# Altium PCB NeuroPico Hub.PcbDoc (part 2 of 5)
Units mm, origin at the board's own origin, x right, y up, seen from the top; angles counter-clockwise.
Board outline 60 x 84 mm, 6 copper layers (Top Layer, Layer 2, Layer 3, Layer 4, Layer 5, Bottom Layer), stack 1.611 mm thick; 397 components, 237 nets, 1370 pads, 631 vias.
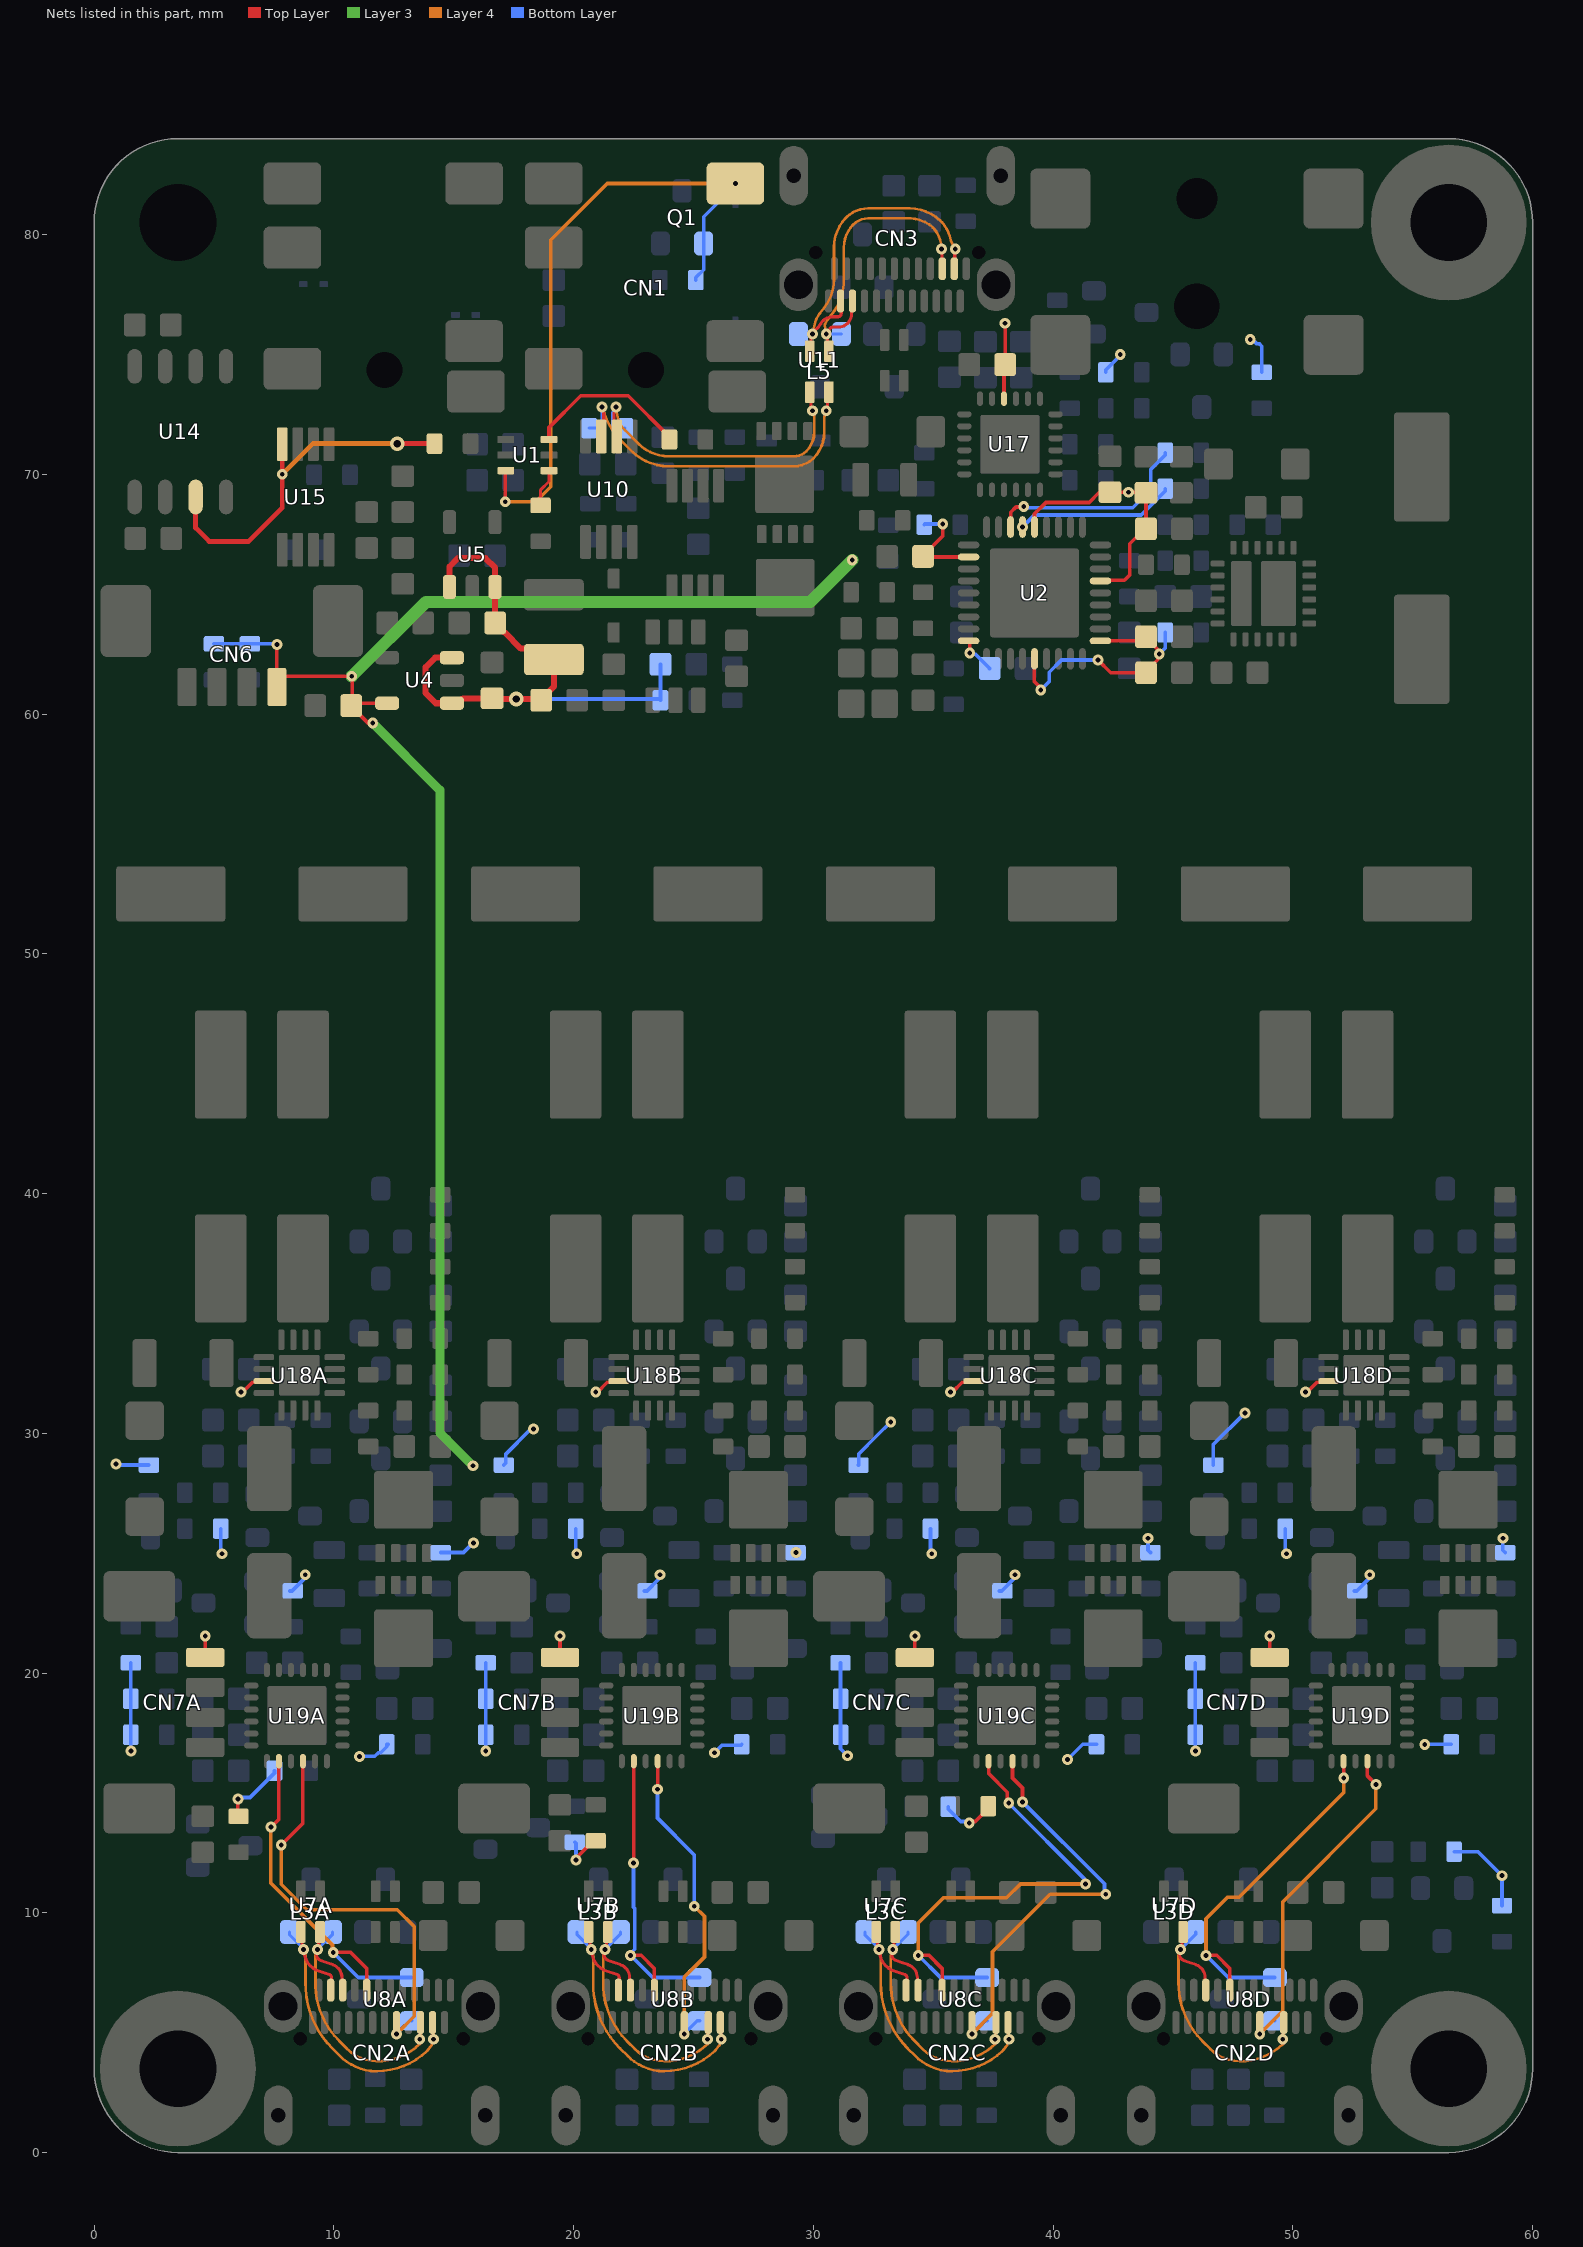
[diagram p6: the nets of this part, all layers, seen from the top]

## Footprints (in the part's own frame and the unit in brackets; to place one, negate y for a bottom-side part, rotate by r counter-clockwise, add the part's x,y. Pads: shape width x height; smd on the part's side, far side on the other; paste and mask are expansions set on the pad) (continued)
VQFN24 [mm] "QFN, 24-Leads, Body 4.00x4.00mm, Pitch 0.50mm, Thermal Pad 2.70x2.70mm, IPC Medium Density"
  rrect42% 0.24x0.575 smd: 1(-1.25,-1.913) 2(-0.75,-1.913) 3(-0.25,-1.913) 4(0.25,-1.913) 5(0.75,-1.913) 6(1.25,-1.913) 13(1.25,1.913) 14(0.75,1.913) 15(0.25,1.913) 16(-0.25,1.913) 17(-0.75,1.913) 18(-1.25,1.913)
  rrect42% 0.575x0.24 smd: 7(1.913,-1.25) 8(1.913,-0.75) 9(1.913,-0.25) 10(1.913,0.25) 11(1.913,0.75) 12(1.913,1.25) 19(-1.913,1.25) 20(-1.913,0.75) 21(-1.913,0.25) 22(-1.913,-0.25) 23(-1.913,-0.75) 24(-1.913,-1.25)
  rrect7% 1.45x2.7 smd: 25(-0.625,0)
  rrect7% 1.45x2.7 smd far side paste-2539.97 mask+0.102: 25(-0.625,0)
  rrect12% 0.85x2.7 smd: 26(0.925,0)
  rrect12% 0.85x2.7 smd far side paste-2539.97 mask+0.102: 26(0.925,0)
  silkscreen extent -2.8,-2.8 2.05,2.05, body extent -2.3,-2.3 2.3,2.3, height 0.25
VSSOP8_3X3_0.65E [mm] "TSOP, 8-Leads, Body 3.00x3.00mm, Pitch 0.65mm, IPC Medium Density"
  rrect25% 0.45x1.4 smd: 1(-0.975,-2.2) 2(-0.325,-2.2) 3(0.325,-2.2) 4(0.975,-2.2) 5(0.975,2.2) 6(0.325,2.2) 7(-0.325,2.2) 8(-0.975,2.2)
  silkscreen extent -1.87,-2.32 1.55,1.15, body extent -1.55,-2.45 1.55,2.45, height 1.1
WQFN16_3X3_0.5E [mm] "QFN, 16-Leads, Body 3.00x3.00mm, Pitch 0.50mm, Thermal Pad 1.70x1.70mm, IPC Medium Density"
  rrect10% 1.7x1.7 smd: 0(0,0)
  rrect10% 1.7x1.7 smd far side paste-2539.97 mask+0.102: 0(0,0)
  rrect50% 0.25x0.85 smd: 1(-0.75,-1.475) 2(-0.25,-1.475) 3(0.25,-1.475) 4(0.75,-1.475) 9(0.75,1.475) 10(0.25,1.475) 11(-0.25,1.475) 12(-0.75,1.475)
  rrect50% 0.85x0.25 smd: 5(1.475,-0.75) 6(1.475,-0.25) 7(1.475,0.25) 8(1.475,0.75) 13(-1.475,0.75) 14(-1.475,0.25) 15(-1.475,-0.25) 16(-1.475,-0.75)
  silkscreen extent -1.73,-2.5 1.73,1.73, body extent -1.66,-1.66 1.66,1.66, height 0.8

## Part data
C1 C18 C22 C33 C40 C43 C44 C45 C47 C48 C64A C64B C64C C64D C65A C65B C65C C65D C66A C66B C66C C66D: library part CMP-611-0033-11, "0603 Multilayer Ceramic Capacitors MLCC", Capacitor Type=Ceramic, Case/Package=0603, Dielectric=X5R, LCSC Part N.=C15849, PartNumber=CL10A105KB8NNNC, Tolerance=10%, Voltage Rating=50V, Mount=SMD, Pick&PlaceFootprint=C0603, RoHS=Yes
C2 C3 C7 C8 C9 C10 C11 C12 C13 C14 C26A C26B C26C C26D C29 C30 C36 C37 C38 C39 C41 C42 C46 C51A C51B C51C C51D C54A C54B C54C C54D C55A C55B C55C C55D C56A C56B C56C C56D C57A C57B C57C C57D C58A C58B C58C C58D C59A C59B C59C C59D C60A C60B C60C C60D C61A C61B C61C C61D C62A C62B C62C C62D: library part CMP-611-0027-24, "0603 Multilayer Ceramic Capacitors MLCC", Capacitor Type=Ceramic, Case/Package=0603, Dielectric=X7R, LCSC Part N.=C14663, PartNumber=CC0603KRX7R9BB104, Tolerance=10%, Voltage Rating=50V, Mount=SMD, Pick&PlaceFootprint=C0603, RoHS=Yes
C4 C5: library part CMP-611-0064-3, "0603 Multilayer Ceramic Capacitors MLCC", Capacitor Type=Ceramic, Case/Package=0603, Dielectric=C0G, LCSC Part N.=C1648, PartNumber=CL10C200JB8NNNC, Tolerance=5%, Voltage Rating=50V, Mount=SMD, Pick&PlaceFootprint=C0603, RoHS=Yes
C6: library part CMP-611-0056-4, "0603 Multilayer Ceramic Capacitors MLCC", Capacitor Type=Ceramic, Case/Package=0603, Dielectric=X5R, LCSC Part N.=C19666, PartNumber=CL10A475KO8NNNC, Tolerance=10%, Voltage Rating=16V, Mount=SMD, Pick&PlaceFootprint=C0603, RoHS=Yes
C15 C27A C27B C27C C27D C31: library part CMP-611-0022-7, "0603 Multilayer Ceramic Capacitors MLCC", Capacitor Type=Ceramic, Case/Package=0603, Dielectric=X7R, LCSC Part N.=C57112, PartNumber=0603B103K500NT, Tolerance=10%, Voltage Rating=50V, Mount=SMD, Pick&PlaceFootprint=C0603, RoHS=Yes
C16: library part CMP-611-0038-6, "0603 Multilayer Ceramic Capacitors MLCC", Capacitor Type=Ceramic, Case/Package=0603, Dielectric=C0G, LCSC Part N.=C14858, PartNumber=CL10C101JB8NNNC, Tolerance=5%, Voltage Rating=50V, Mount=SMD, Pick&PlaceFootprint=C0603, RoHS=Yes
C17 C21: library part CMP-611-0048-3, "Ceramic Capacitor, Multilayer, Ceramic, 35V, 20% +Tol, 20% -Tol, X5R, 15% TC, 10uF, Surface Mount, 0603", Capacitor Type=Ceramic, Case/Package=0603, Dielectric=X5R, LCSC Part N.=C194427, PartNumber=GRM188R6YA106MA73D, Tolerance=20%, Voltage Rating=35V, Mount=SMD, Pick&PlaceFootprint=C0603, RoHS=Yes
C19 C23: library part CMP-611-0060-3, "0603 Multilayer Ceramic Capacitors MLCC", Capacitor Type=Ceramic, Case/Package=0603, Dielectric=X5R, LCSC Part N.=C162273, PartNumber=GRM188R61H225KE11D, Tolerance=10%, Voltage Rating=50V, Mount=SMD, Pick&PlaceFootprint=C0603, RoHS=Yes
C20 C24: library part CMP-611-0030-11, "0603 Multilayer Ceramic Capacitors MLCC", Capacitor Type=Ceramic, Case/Package=0603, Dielectric=X7R, LCSC Part N.=C525730, PartNumber=CL10B103KC84PEL, Tolerance=10%, Voltage Rating=100V, Mount=SMD, Pick&PlaceFootprint=C0603, RoHS=Yes
C25A C25B C25C C25D C52A C52B C52C C52D: library part CMP-611-0050-6, "0603 Multilayer Ceramic Capacitors MLCC", Capacitor Type=Ceramic, Case/Package=0603, Dielectric=X5R, LCSC Part N.=C96446, PartNumber=CL10A106MA8NRNC, Tolerance=20%, Voltage Rating=25V, Mount=SMD, Pick&PlaceFootprint=C0603, RoHS=Yes
C28: library part CMP-611-0042-4, "0805 Multilayer Ceramic Capacitors MLCC", Capacitor Type=Ceramic, Case/Package=0805, Dielectric=X5R, LCSC Part N.=C440198, PartNumber=GRM21BR61H106KE43L, Tolerance=10%, Voltage Rating=50V, Mount=SMD, Pick&PlaceFootprint=C0805, RoHS=Yes
C32: library part CMP-612-0005-5, "Cap Aluminum Polymer 220uF 35V 20% Cylindrical 27m Ohm 2000mA 4000 hr 125°C Emboss T/R", Capacitor Type=Solid, ESR (Equivalent Series Resistance)=17mR, LCSC Part N.=C454287, PartNumber=EEHZK1V221UP, Ripple Current=2A, Tolerance=20%, Voltage Rating=35V, Height=10.5mm, Mount="Surface Mount", Pick&PlaceFootprint=EC8
C34 C35: library part CMP-611-0074-1, "0603 Multilayer Ceramic Capacitors MLCC", Capacitor Type=Ceramic, Case/Package=0603, Dielectric=X7R, LCSC Part N.=C1604, PartNumber=0603B222K500NT, Tolerance=10%, Voltage Rating=50V, Mount=SMD, Pick&PlaceFootprint=C0603, RoHS=Yes
C49A C49B C49C C49D: library part CMP-611-0036-5, "1210 Multilayer Ceramic Capacitors MLCC", Capacitor Type=Ceramic, Case/Package=1210, Dielectric=X7R, LCSC Part N.=C1950, PartNumber=1210B225K500NT, Tolerance=10%, Voltage Rating=50V, Mount="Surface Mount", Pick&PlaceFootprint=C1210, RoHS=Yes
C50A C50B C50C C50D: library part CMP-610-0010-1, "25V 680uF ±20% SMD,D8xL10.5mm Solid Capacitors", Capacitor Type=Solid, ESR (Equivalent Series Resistance)=25mR, LCSC Part N.=C5246549, PartNumber=HV1E687M0810PZ, Tolerance=20%, Voltage Rating=25V, Mount="Surface Mount", Pick&PlaceFootprint=EC8, RoHS=Yes
C53A C53B C53C C53D: library part CMP-611-0073-1, "0603 Multilayer Ceramic Capacitors MLCC", Capacitor Type=Ceramic, Case/Package=0603, Dielectric=X7R, LCSC Part N.=C1622, PartNumber=CL10B473KB8NNNC, Tolerance=10%, Voltage Rating=50V, Mount=SMD, Pick&PlaceFootprint=C0603, RoHS=Yes
C63A C63B C63C C63D: library part CMP-610-0003-4, "25V 220uF ±20% SMD,D6.3xL7.7mm Solid Capacitors", Capacitor Type=Solid, ESR (Equivalent Series Resistance)=35mR, LCSC Part N.=C5246541, PartNumber=HV1E477M0810PZ, Tolerance=20%, Voltage Rating=25V, Mount="Surface Mount", Pick&PlaceFootprint=EC63, RoHS=Yes
CN1 CN5: library part CMP-380-0019-5, "3.5mm headphone jack 235℃ 30V 500mA SMD Audio Connector", LCSC Part N.=C128987, PartNumber=PJ-316A-6A, Gender=Female, IEC Conformance=No, Mount="Through Hole", Orientation=Horizontal, Pitch=3.5mm
CN2A CN2B CN2C CN2D CN3: library part CMP-340-0003-10, "USB 3.1 5A 1 260℃ Surface Mount，Right Angle 24P Female -45℃~+85℃ Type-C SMD USB Connectors", Current Rating=5A, LCSC Part N.=C920230, PartNumber=TYPEC-324G-BCP24, Gender=Female, Mount="Surface Mount", Orientation=Horizontal
CN4: library part CMP-360-0005-6, "Surface Mount, Right Angle 2.5A 24V SMD DC Power Connector", Current Rating=2.5A, LCSC Part N.=C2880543, PartNumber=DC-005-2.5A-2.0-SMT, Voltage Rating=24V, Connector Type=Jack,Power, Contact Material="Copper Alloy", Contact Plating=Tin, Gender=Male, Mount="Surface Mount", Orientation=Horizontal, Pitch=2.0mm
CN6 CN7A CN7B CN7C CN7D: library part CMP-370-0030-7, "Conn Shrouded Header (3 Sides) HDR 4 POS 1.25mm Solder ST Top Entry SMD PicoBlade™ T/R", Current Rating=1A, LCSC Part N.=C17617036, PartNumber=53398-0471, Gender=Male, Mounting Technology="Surface Mount", Number of Positions=4, Number of Rows=1, Orientation=Vertical, Pitch=1.25mm
D1 D2 D3 D8 D9: library part CMP-210-0004-2, "ESD9B3.3ST5G, Bi-Directional TVS Diode, 300mW, 2-Pin SOD-923", Breakdown Voltage=5V, Clamp Voltage=11.5V, LCSC Part N.=C96512, PartNumber=ESD9B3.3ST5G, Stand-off Voltage=3.3V, Pick&PlaceFootprint=SOT-23
D4 D10: library part CMP-821-0013-3, "Rectifier Diode, Schottky, 1 Phase, 1 Element, 1A, 30V V(RRM), Silicon", Forward Current=1A, Forward Voltage=370mV, LCSC Part N.=C146335, Max Reverse Voltage=30V, PartNumber=CUS10S30,H3F, Mount="Surface Mount", Pick&PlaceFootprint=SOD323
D5A D5B D5C D5D D6 D7: library part CMP-210-0002-1, "4.4A 45.4V@4.4A 200W 31.1V Bi-Directional 28V SOD-123F Electrostatic and Surge Protection (TVS/ESD)", Breakdown Voltage=31V, Clamp Voltage=45.4V, LCSC Part N.=C5125651, Stand-off Voltage=28V, Mount="Surface Mount", PartNumber=SMFJ28CA, Pick&PlaceFootprint=SOD-123
D11A D11B D11C D11D: library part CMP-821-0012-2, "40V 550mV@5A 5A SMA(DO-214AC) Schottky Barrier Diodes (SBD)", Forward Voltage=550mV, LCSC Part N.=C22452, Max Reverse Voltage=40V, Rectified Current=5A, Mount="Surface Mount", PartNumber=SS54, Pick&PlaceFootprint=SMA
L1: library part CMP-620-0005-6, "Inductor Power Chip Shielded Wirewound 47uH 20% 1MHz Ferrite 0.5A 0.9Ohm DCR 1210 Automotive T/R", DC Resistance (DCR)=900mR, LCSC Part N.=C907956, PartNumber=LQW32FT470M0HL, RMS Current (Irms)=500mA, Saturation Current=300mA, Tolerance=20%
L2A L2B L2C L2D L4: library part CMP-600-0002-3, "Data Line Filter, 2 Function(s), 50V, 0.33A, 4 Pin(s)", Current Rating=330mA, DC Resistance-Max=350mR, Insulation Resistance-Min=10MR, LCSC Part N.=C80529, PartNumber=DLW21HN900SQ2L, Voltage Rating=50V, Channels=2, Output Impedance=90R
L3A L3B L3C L3D L5: library part CMP-600-0007-1, "Data Line Filter, 2 Function(s), 20V, 0.28A, 4 Pin(s)", Current Rating=280mA, DC Resistance-Max=400mR, Insulation Resistance-Min=10kR, LCSC Part N.=C370248, PartNumber=SDCW2012H-2-121TF, Voltage Rating=20V, Channels=2, Output Impedance=120R
L6A L6B L6C L6D: library part CMP-620-0011-4, "Ind Power Shielded Wirewound 10uH/40uH 20% 100KHz Ferrite 5.35A/2.67A T/R", DC Resistance (DCR)=24mR, LCSC Part N.=C7084460, PartNumber=SRF1260-100M, RMS Current (Irms)=5.35A, Saturation Current=7.17A, Tolerance=20%
Q1 Q16A Q16B Q16C Q16D: library part CMP-810-0003-2, "30V 4A 44mΩ@10V,4.3A 1.4W 1.3V@250uA 1 PChannel SOT-23-3L MOSFETs", Drain Current (Id)=-4A, Drain-Source Voltage (Vds)=-30V, Gate-Source Voltage (Vgs)=12V, LCSC Part N.=C15127, Power Dissipation=1.4W, Mount="Surface Mount", PartNumber=AO3401A, Pick&PlaceFootprint=SOT-23, Polarity="P Channel", RDS(ON)=44mR, Switching Time=60ns
Q2 Q3 Q6A Q6B Q6C Q6D Q7A Q7B Q7C Q7D Q8A Q8B Q8C Q8D Q9A Q9B Q9C Q9D Q10A Q10B Q10C Q10D Q11A Q11B Q11C Q11D Q12A Q12B Q12C Q12D Q13A Q13B Q13C Q13D: library part CMP-810-0002-2, "30V 5.7A 26.5mΩ@10V,5.7A 1.4W 1.5V@250uA 1 NChannel SOT-23-3L MOSFETs", Drain Current (Id)=5.7A, Drain-Source Voltage (Vds)=30V, Gate-Source Voltage (Vgs)=12V, LCSC Part N.=C20917, Power Dissipation=1.4W, Mount="Surface Mount", PartNumber=AO3400A, Pick&PlaceFootprint=SOT-23, Polarity="N Channel", RDS(ON)=26.5mR, Switching Time=34.5ns
Q4 Q14A Q14B Q14C Q14D Q15A Q15B Q15C Q15D: library part CMP-810-0004-1, "30V 30A 7.8mΩ@10V,20A 2.3V@250uA 1 PChannel DFN-8 MOSFETs", Drain Current (Id)=-34A, Drain-Source Voltage (Vds)=-30V, Gate-Source Voltage (Vgs)=25V, LCSC Part N.=C431196, Power Dissipation=30W, Mount="Surface Mount", PartNumber=AONR21357, Pick&PlaceFootprint=DFN-8, Polarity="P Channel", RDS(ON)=8mR, Switching Time=200ns
Q5: library part CMP-810-0005-1, "30V 30A 5mΩ@10V,20A 2.2V@250uA 1 NChannel DFN-8 MOSFETs", Drain Current (Id)=30A, Drain-Source Voltage (Vds)=30V, Gate-Source Voltage (Vgs)=20V, LCSC Part N.=C315567, Power Dissipation=1.4W, Mount="Surface Mount", PartNumber=AON7544, Pick&PlaceFootprint=DFN-8, Polarity="N Channel", RDS(ON)=5mR, Switching Time=34.5ns
R1 R2 R17 R19 R27 R34 R35: library part CMP-633-0013-26, "100mW Thick Film Resistors 75V ±100ppm/℃ ±1% 0603 Chip Resistor", Case/Package=0603, LCSC Part N.=C21190, Number of Resistors=1, PartNumber=0603WAF1001T5E, Power Rating=100mW, Tolerance=1%, Voltage Rating=75V, Mount="Surface Mount", Pick&PlaceFootprint=R0603
R3 R6 R8 R9 R10 R11 R12 R15 R16 R20 R21 R24 R31 R36 R37 R38 R50A R50B R50C R50D R51A R51B R51C R51D R52A R52B R52C R52D R53A R53B R53C R53D R54A R54B R54C R54D R55A R55B R55C R55D R56A R56B R56C R56D R57A R57B R57C R57D R59A R59B R59C R59D R62A R62B R62C R62D: library part CMP-633-0000-28, "100mW Thick Film Resistors 75V ±100ppm/℃ ±1% 0603 Chip Resistor", Case/Package=0603, LCSC Part N.=C25803, Number of Resistors=1, PartNumber=0603WAF1003T5E, Power Rating=100mW, Tolerance=1%, Voltage Rating=75V, Mount="Surface Mount", Pick&PlaceFootprint=R0603
R4 R14A R14B R14C R14D R22 R23: library part CMP-633-0066-20, "100mW Thick Film Resistors 75V ±100ppm/℃ ±1% 0603 Chip Resistor", Case/Package=0603, LCSC Part N.=C22935, Number of Resistors=1, PartNumber=0603WAF1004T5E, Power Rating=100mW, Tolerance=1%, Voltage Rating=75V, Mount="Surface Mount", Pick&PlaceFootprint=R0603
R5 R32 R45A R45B R45C R45D: library part CMP-633-0094-12, "100mW Thick Film Resistors 75V ±100ppm/℃ ±1% 0603 Chip Resistor", Case/Package=0603, LCSC Part N.=C22775, Number of Resistors=1, PartNumber=0603WAF1000T5E, Power Rating=100mW, Tolerance=1%, Voltage Rating=75V, Mount="Surface Mount", Pick&PlaceFootprint=R0603
R7: library part CMP-633-0106-3, "100mW Thick Film Resistors 75V ±100ppm/℃ ±1% 0603 Chip Resistor", Case/Package=0603, LCSC Part N.=C22790, Number of Resistors=1, PartNumber=0603WAF1202T5E, Power Rating=100mW, Tolerance=1%, Voltage Rating=75V, Mount="Surface Mount", Pick&PlaceFootprint=R0603
R13: library part CMP-633-0124-2, "100mW Thick Film Resistors 75V ±100ppm/℃ ±1% 0603 Chip Resistor", Case/Package=0603, LCSC Part N.=C22967, Number of Resistors=1, PartNumber=0603WAF2702T5E, Power Rating=100mW, Tolerance=1%, Voltage Rating=75V, Mount="Surface Mount", Pick&PlaceFootprint=R0603
R18 R26 R29: library part CMP-633-0100-12, "100mW Thick Film Resistors 75V ±100ppm/℃ ±1% 0603 Chip Resistor", Case/Package=0603, LCSC Part N.=C22787, Number of Resistors=1, PartNumber=0603WAF1200T5E, Power Rating=100mW, Tolerance=1%, Voltage Rating=75V, Mount="Surface Mount", Pick&PlaceFootprint=R0603
R25: library part CMP-633-0146-1, "100mW Thick Film Resistors 75V ±100ppm/℃ ±1% 0603 Chip Resistor", Case/Package=0603, LCSC Part N.=C25808, Number of Resistors=1, PartNumber=0603WAF1203T5E, Power Rating=100mW, Tolerance=1%, Voltage Rating=75V, Mount="Surface Mount", Pick&PlaceFootprint=R0603
R28 R58A R58B R58C R58D: library part CMP-633-0002-26, "100mW Thick Film Resistors 75V ±100ppm/℃ ±1% 0603 Chip Resistor", Case/Package=0603, LCSC Part N.=C25804, Number of Resistors=1, PartNumber=0603WAF1002T5E, Power Rating=100mW, Tolerance=1%, Voltage Rating=75V, Mount="Surface Mount", Pick&PlaceFootprint=R0603
R30: library part CMP-633-0020-24, "100mW Thick Film Resistors 75V ±100ppm/℃ ±1% 0603 Chip Resistor", Case/Package=0603, LCSC Part N.=C23179, Number of Resistors=1, PartNumber=0603WAF4700T5E, Power Rating=100mW, Tolerance=1%, Voltage Rating=75V, Mount="Surface Mount", Pick&PlaceFootprint=R0603
R33 R60A R60B R60C R60D: library part CMP-633-0099-12, "100mW Thick Film Resistors 75V ±100ppm/℃ ±1% 0603 Chip Resistor", Case/Package=0603, LCSC Part N.=C31850, Number of Resistors=1, PartNumber=0603WAF2202T5E, Power Rating=100mW, Tolerance=1%, Voltage Rating=75V, Mount="Surface Mount", Pick&PlaceFootprint=R0603
R39 R40 R46A R46B R46C R46D R63A R63B R63C R63D R64A R64B R64C R64D: library part CMP-633-0024-26, "100mW Thick Film Resistors 75V ±100ppm/℃ ±1% 0603 Chip Resistor", Case/Package=0603, LCSC Part N.=C23162, Number of Resistors=1, PartNumber=0603WAF4701T5E, Power Rating=100mW, Tolerance=1%, Voltage Rating=75V, Mount="Surface Mount", Pick&PlaceFootprint=R0603
R41A R41B R41C R41D: library part CMP-633-0101-12, "100mW Thick Film Resistors 75V ±100ppm/℃ ±1% 0603 Chip Resistor", Case/Package=0603, LCSC Part N.=C25811, Number of Resistors=1, PartNumber=0603WAF2003T5E, Power Rating=100mW, Tolerance=1%, Voltage Rating=75V, Mount="Surface Mount", Pick&PlaceFootprint=R0603
R42A R42B R42C R42D: library part CMP-633-0102-11, "100mW Thick Film Resistors 75V ±100ppm/℃ ±1% 0603 Chip Resistor", Case/Package=0603, LCSC Part N.=C22797, Number of Resistors=1, PartNumber=0603WAF1302T5E, Power Rating=100mW, Tolerance=1%, Voltage Rating=75V, Mount="Surface Mount", Pick&PlaceFootprint=R0603
R43A R43B R43C R43D: library part CMP-633-0119-5, "100mW Thick Film Resistors 75V ±100ppm/℃ ±1% 0603 Chip Resistor", Case/Package=0603, LCSC Part N.=C23153, Number of Resistors=1, PartNumber=0603WAF3902T5E, Power Rating=100mW, Tolerance=1%, Voltage Rating=75V, Mount="Surface Mount", Pick&PlaceFootprint=R0603
R44A R44B R44C R44D: library part CMP-633-0070-21, "100mW Thick Film Resistors 75V ±100ppm/℃ ±1% 0603 Chip Resistor", Case/Package=0603, LCSC Part N.=C4190, Number of Resistors=1, PartNumber=0603WAF2201T5E, Power Rating=100mW, Tolerance=1%, Voltage Rating=75V, Mount="Surface Mount", Pick&PlaceFootprint=R0603
R47A R47B R47C R47D: library part CMP-633-0090-12, "100mW Thick Film Resistors 75V ±100ppm/℃ ±1% 0603 Chip Resistor", Case/Package=0603, LCSC Part N.=C23186, Number of Resistors=1, PartNumber=0603WAF5101T5E, Power Rating=100mW, Tolerance=1%, Voltage Rating=75V, Mount="Surface Mount", Pick&PlaceFootprint=R0603
R48A R48B R48C R48D: library part CMP-633-0113-5, "100mW Thick Film Resistors 75V ±100ppm/℃ ±1% 0603 Chip Resistor", Case/Package=0603, LCSC Part N.=C23260, Number of Resistors=1, PartNumber=0603WAF9101T5E, Power Rating=100mW, Tolerance=1%, Voltage Rating=75V, Mount="Surface Mount", Pick&PlaceFootprint=R0603
R49A R49B R49C R49D: library part CMP-633-0105-10, "100mW Thick Film Resistors 75V ±100ppm/℃ ±1% 0603 Chip Resistor", Case/Package=0603, LCSC Part N.=C4216, Number of Resistors=1, PartNumber=0603WAF3302T5E, Power Rating=100mW, Tolerance=1%, Voltage Rating=75V, Mount="Surface Mount", Pick&PlaceFootprint=R0603
R61A R61B R61C R61D: library part CMP-633-0028-14, "125mW Thick Film Resistors 150V ±100ppm/℃ ±1% 0805 Chip Resistor", Case/Package=0805, LCSC Part N.=C17513, Number of Resistors=1, PartNumber=0805W8F1001T5E, Power Rating=125mW, Tolerance=1%, Voltage Rating=150V, Mount=SMD, Pick&PlaceFootprint=R0805